# Altium PCB PLC1.PcbDoc (part 1 of 4)
Units mm, origin at the board's own origin, x right, y up, seen from the top; angles counter-clockwise.
Board outline 175 x 81 mm, 2 copper layers (Top Layer, Bottom Layer), stack 1.471 mm thick; 347 components, 299 nets, 1265 pads, 687 vias.
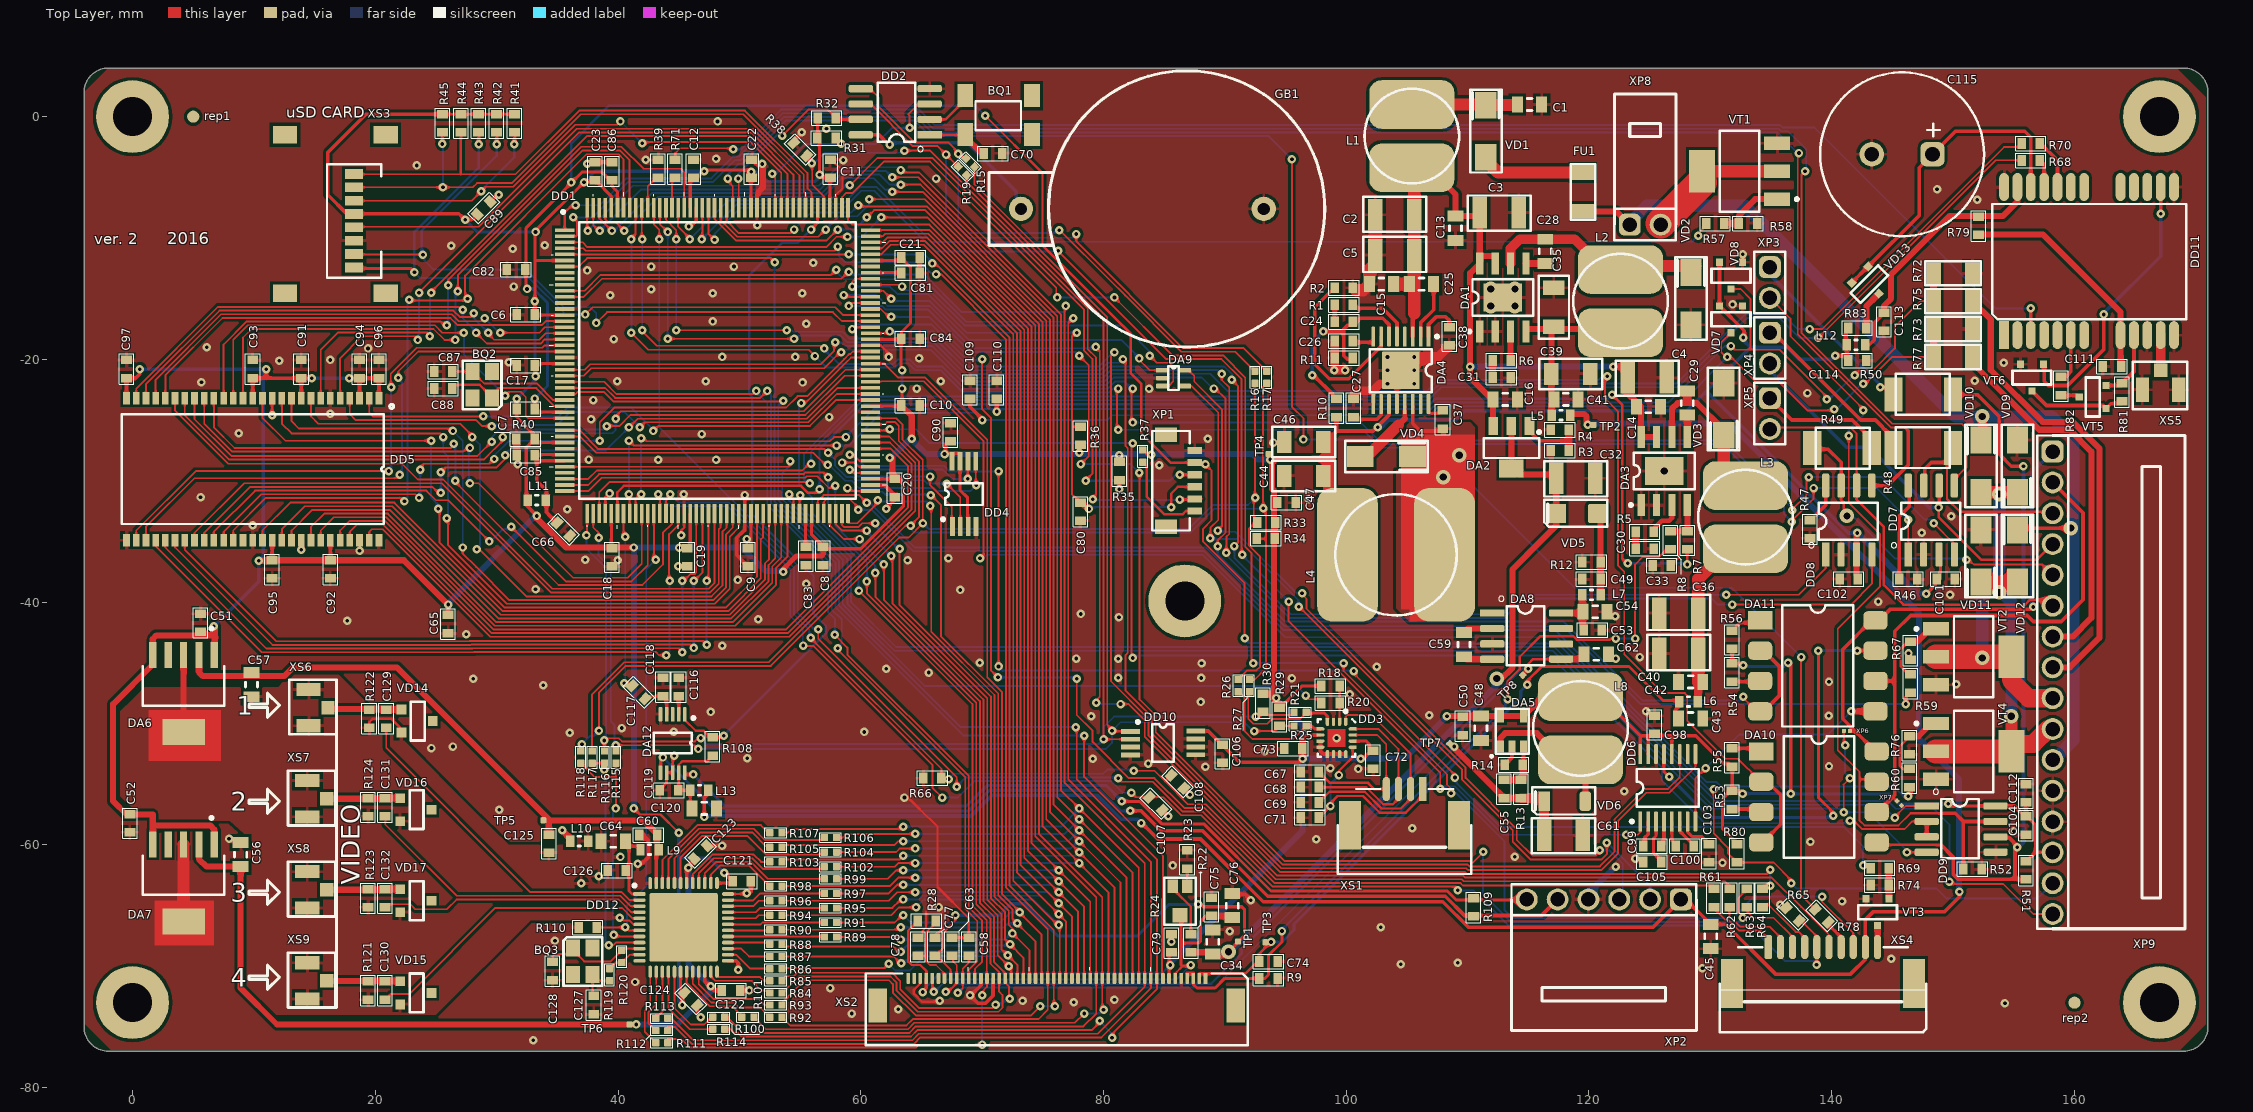
[diagram p0: Top Layer view]
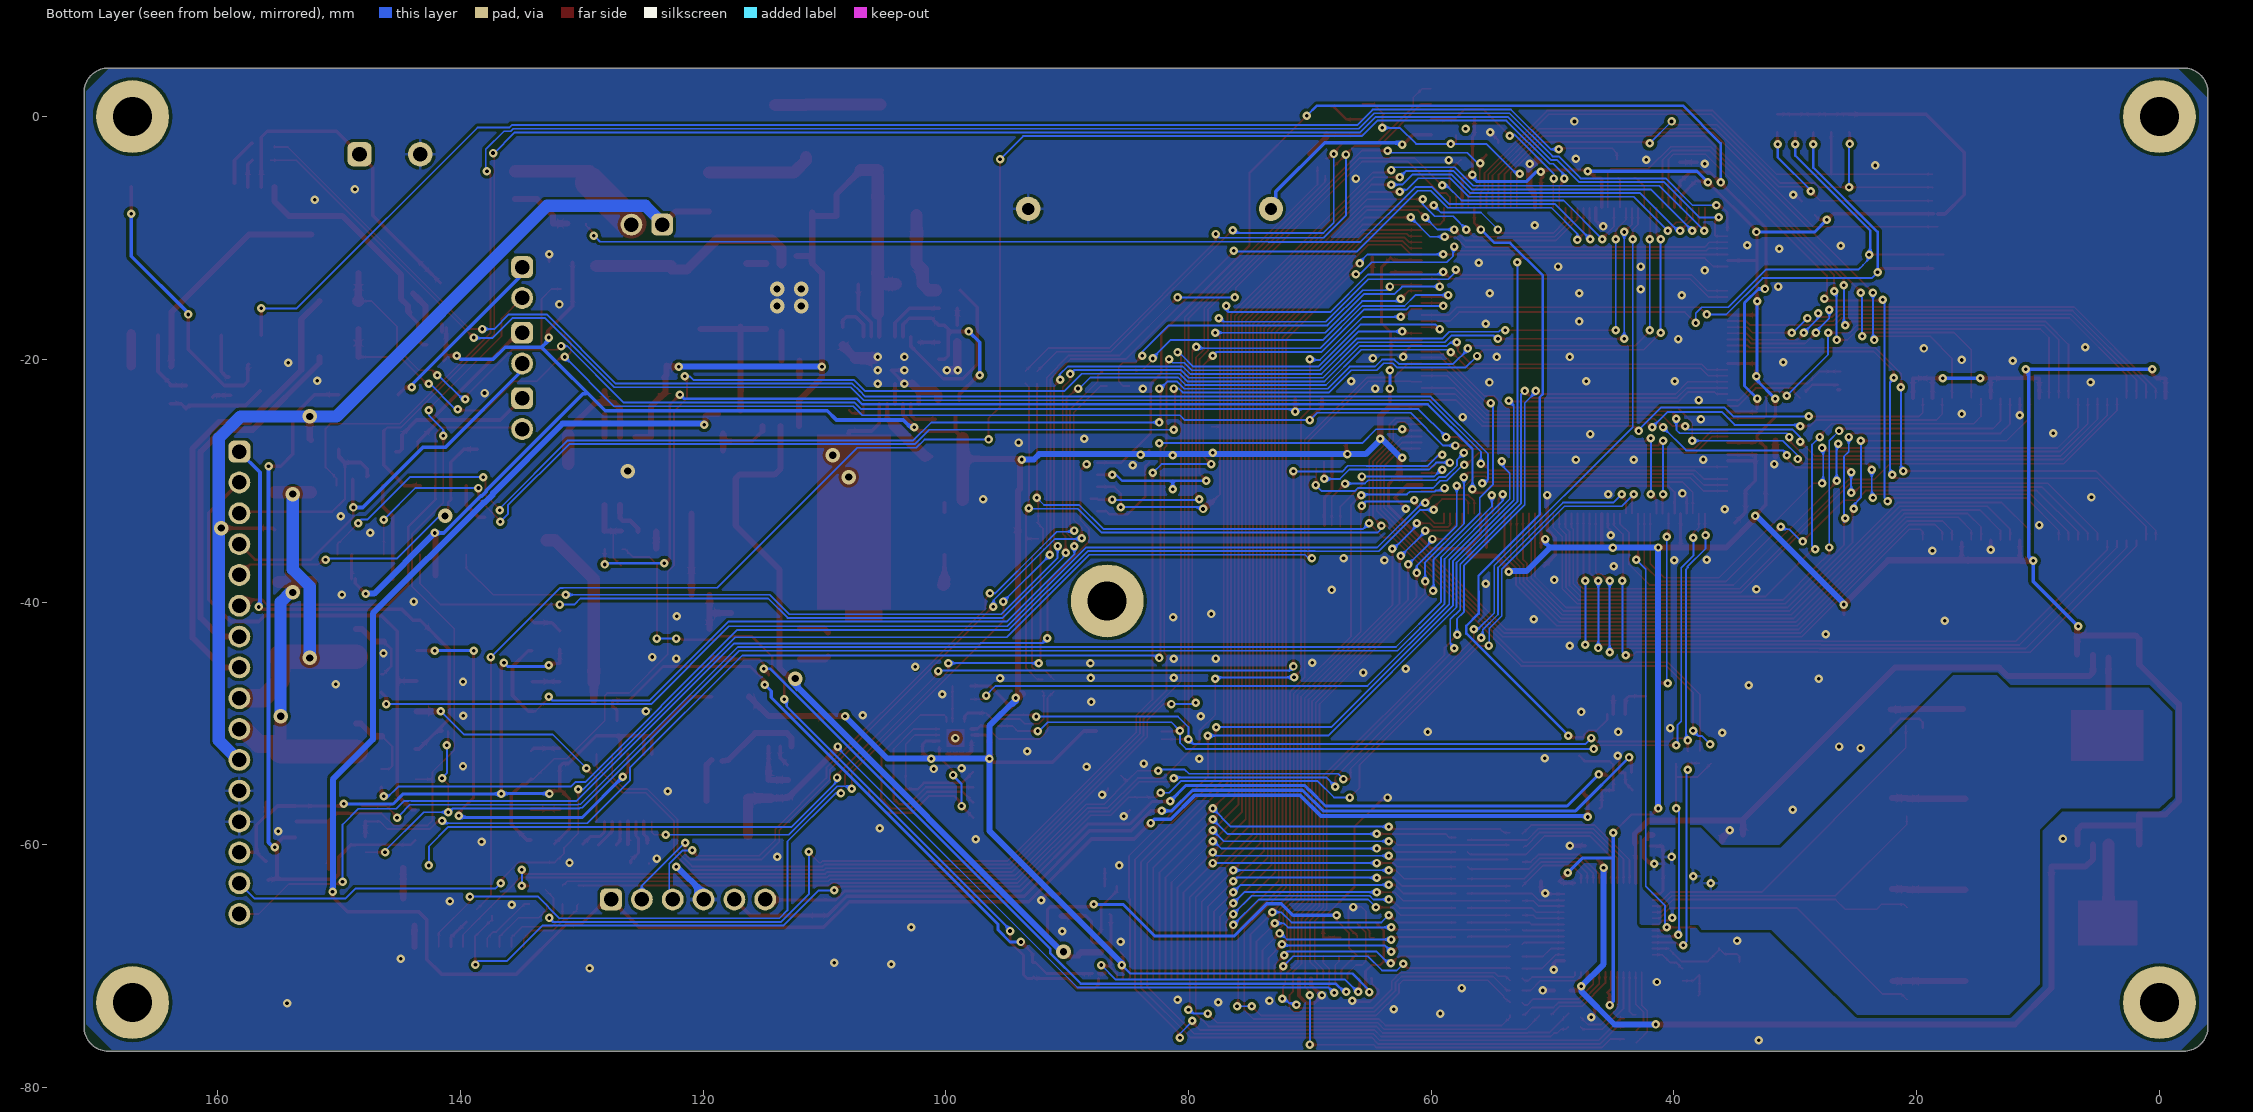
[diagram p1: Bottom Layer view, seen from below]

## Layer stack, top to bottom
Top Solder: solder mask 0.0102, Solder Resist, Dk 3.5
Top Layer: signal copper 0.0356
Dielectric 1: dielectric 1.4, FR-4, Dk 4.8
Bottom Layer: signal copper 0.0356
Bottom Solder: solder mask 0.0102, Solder Resist, Dk 3.5

## Board outline
-2,-77 cw(c-2,-75) -4,-75 -4,2 cw(c-2,2) -2,4 169,4 cw(c169,2) 171,2 171,-75 cw(c169,-75) 169,-77

## Design rules (kind name [scope] priority, off if disabled: settings)
Clearance Clearance_1 [InPolygon] p1: gap=0.25 ignorepadtopadclearanceinfootprint=FALSE except(0: Arc-Hole Track-Hole SMDPad-Hole THPad-Hole Via-Hole Fill-Hole Poly-Hole Region-Hole Text-Hole)
Clearance [All] p2: gap=0.152 ignorepadtopadclearanceinfootprint=FALSE except(0: Arc-Hole Track-Hole SMDPad-Hole THPad-Hole Via-Hole Fill-Hole Poly-Hole Region-Hole Text-Hole)
HoleSize [All] p1: absolutevalues=TRUE maxlimit=10 minlimit=0.025 maxpercent=80.000 minpercent=20.000
HoleToHoleClearance [All] p1: gap=0.2 allowstackedmicrovias=TRUE
MinimumSolderMaskSliver [All] p1 off: minsoldermaskwidth=0.254
PlaneClearance [All] p1: clearance=0.25
PolygonConnect [(InNet('AVDD_DISP') AND IsPolygon)] p1: connectstyle=Direct reliefconductorwidth=0.254 reliefentries=4 polygonreliefangle="90 Angle" airgapwidth=0.254
PolygonConnect TOP_NETDA2-14 [InNamedPolygon('NETDA2-14')] p2: connectstyle=Direct reliefconductorwidth=0.254 reliefentries=4 polygonreliefangle="90 Angle" airgapwidth=0.254
PolygonConnect Bottom_GND [isVia vs InNet('GND')] p3: connectstyle=Direct reliefconductorwidth=0.254 reliefentries=4 polygonreliefangle="90 Angle" airgapwidth=0.254
PolygonConnect PolygonConnect_2 [All] p4: connectstyle=Relief reliefconductorwidth=0.254 reliefentries=4 polygonreliefangle="90 Angle" airgapwidth=0.254
PolygonConnect PolygonConnect_1 [isVia] p5: connectstyle=Direct reliefconductorwidth=0.254 reliefentries=4 polygonreliefangle="90 Angle" airgapwidth=0.254
RoutingVias [All] p1: holewidth=0.3 width=0.7 viastyle="Through Hole" minholewidth=0.3 minwidth=0.7 maxholewidth=5 maxwidth=7
SilkToBoardRegionClearance [All] p1 off:
SilkToSilkClearance [All] p1 off: silktosilkclearance=0.254
SilkToSolderMaskClearance [IsPad] p1 off: minsilkscreentomaskgap=0.254 clearancetoexposedcopper=TRUE
SolderMaskExpansion [All] p1: expansion=0.102
Width [All] p1: maxlimit=8 minlimit=0.15 preferedwidth=0.25 minimp=50.000000 maximp=50.000000 favimp=50.000000
23 further rules are at their usual default settings.

## Classes and differential pairs
component class PLC1_4: BQ3 C116 C117 C118 C119 C120 C121 C122 C123 C124 C125 C126 C127 C128 C129 C130 C131 C132 DA12 DD12 L13 R84 R85 R86 R87 R88 R89 R90 R91 R92 R93 R94 R95 R96 R97 R98 R99 R100 R101 R102 R103 R104 R105 R106 R107 R108 R109 R110 R111 R112 R113 R114 R115 R116 R117 R118 R119 R120 R121 R122 R123 R124 R125 VD14 VD15 VD16 VD17 XS6 XS7 XS8 XS9
component class PLC1: C1 C2 C3 C4 C5 C6 C7 C8 C9 C10 C11 C12 C13 C14 C15 C16 C17 C18 C19 C20 C21 C22 C23 C24 C25 C26 C27 C28 C29 C30 C31 C32 C33 C34 C35 C36 C37 C38 C39 C40 C41 C42 C43 C44 C45 C46 C47 C48 C49 C50 C51 C52 C53 C54 C55 C56 C57 C58 C59 C60 C61 C62 C63 C64 C65 C66 DA1 DA2 DA3 DA4 DA5 DA6 DA7 DA8 FU1 L1 L2 L3 L4 L5 L6 L7 L8 L9 L10 L11 R1 R2 R3 R4 R5 R6 R7 R8 R9 R10 R11 R12 R13 R14 TP1 TP2 TP3 TP4 TP5 TP6 TP7 TP8 VD1 VD2 VD3 VD4 VD5 VD6
component class PLC1_2: BQ1 BQ2 C67 C68 C69 C70 C71 C72 C73 C74 C75 C76 C77 C78 C79 C80 C81 C82 C83 C84 C85 C86 C87 C88 C89 C90 C91 C92 C93 C94 C95 C96 C97 DD1 DD2 DD3 DD4 DD5 GB1 R15 R16 R17 R18 R19 R20 R21 R22 R23 R24 R25 R26 R27 R28 R29 R30 R31 R32 R33 R34 R35 R36 R37 R38 R39 R40 R41 R42 R43 R44 R45 XP1 XS1 XS2 XS3
component class PLC1_3: C98 C99 C100 C101 C102 C103 C104 C105 C106 C107 C108 C109 C110 C111 C112 C113 C114 C115 DA9 DA10 DA11 DD6 DD7 DD8 DD9 DD10 DD11 L12 R46 R47 R48 R49 R50 R51 R52 R53 R54 R55 R56 R57 R58 R59 R60 R61 R62 R63 R64 R65 R66 R67 R68 R69 R70 R71 R72 R73 R74 R75 R76 R77 R78 R79 R80 R81 R82 R83 VD7 VD8 VD9 VD10 VD11 VD12 VD13 VT1 VT2 VT3 VT4 VT5 VT6 XP2 XP3 XP4 XP5 XP6 XP7 XP8 XP9 XP10 XS4 XS5

## Components (designator, comment, footprint, x,y, rotation, side; value= is the part's Value field where it differs from the comment)
BQ1 "90SMX 32768" 90SMX 68.6,1.725 r0 top
BQ2 "TSX-3225" TSX-3225 28.8,-22.1 r270 top
BQ3 "TSX-3225" TSX-3225 37.1,-69.6 r90 top
C1 "Cap_0805" C_0805 115.1,1 r180 top
C2 "Cap_1210" CAP1210 102.4,-8 r0 top
C3 "Cap_1210" CAP1210 114.2,-8 r180 top
C4 "Cap_1210" CAP1210 126.4,-21.6 r180 top
C5 "Cap_1210" CAP1210 102.4,-11.3 r0 top
C6 "0.1uF" CAP_0603 32.4,-16.3 r0 top
C7 "0.1uF" CAP_0603 32.375,-26.55 r180 top
C8 "0.1uF" CAP_0603 56.9,-36.2 r90 top
C9 "0.1uF" CAP_0603 50.7,-36.3 r270 top
C10 "0.1uF" CAP_0603 64.1,-23.8 r180 top
C11 "0.1uF" CAP_0603 57.5,-4.3 r270 top
C12 "0.1uF" CAP_0603 46.2,-4.3 r270 top
C13 "Cap_0805" C_0805 109,-9.2 r90 top
C14 "Cap_0805" C_0805 124.9,-23.9 r180 top
C15 "0.1uF" C_0805 102.9,-13.8 r180 top
C16 "Cap_0805" C_0805 113.1,-23.3 r180 top
C17 "0.1uF" CAP_0603 32.4,-20.5 r0 top
C18 "0.1uF" CAP_0603 39.5,-36.3 r270 top
C19 "0.1uF" CAP_0603 45.7,-36.3 r270 top
C20 "0.1uF" CAP_0603 62.8,-30.6 r90 top
C21 "0.1uF" CAP_0603 64.1,-11.6 r0 top
C22 "0.1uF" CAP_0603 51,-4.3 r270 top
C23 "0.1uF" CAP_0603 38.1,-4.5 r270 top
C24 "0.01uF" CAP_0603 99.8,-16.9 r180 top
C25 "0.1uF" C_0805 106.2,-13.8 r180 top
C26 "100p" CAP_0603 99.8,-18.5 r180 top
C27 "0.1uF" CAP_0603 100.6,-24 r270 top
C28 "Cap_0805" C_0805 116.4,-11.1 r270 top
C29 "Cap_0805" C_0805 128.1,-23.6 r270 top
C30 "22nF" CAP_0603 124.6,-35.6 r180 top
C31 "22nF" CAP_0603 112.8,-21.5 r180 top
C32 "Cap_1210" CAP1210 120.5,-29.9 r180 top
C33 "100p" CAP_0603 126,-37 r180 top
C34 "Cap_0805" C_0805 89,-68 r270 top
C35 "1206" CAP1206 117.1,-14.1 r270 top
C36 "Cap_1210" CAP1210 125.8,-40.8 r0 top
C37 "22nF" CAP_0603 107.95,-24.95 r270 top
C38 "0.1uF" CAP_0603 108.5,-18.1 r270 top
C39 "1206" CAP1206 120.1,-21.2 r180 top
C40 "Cap_1210" CAP1210 125.8,-44.1 r0 top
C41 "Cap_0805" C_0805 118.1,-23.3 r180 top
C42 "Cap_0805" C_0805 128.375,-46.575 r0 top
C43 "Cap_0805" C_0805 128.375,-49.6 r180 top
C44 "1206" CAP1206 94.9,-29.6 r0 top
C45 "Cap_0805" C_0805 130.025,-67.55 r90 top
C46 "1206" CAP1206 94.9,-26.8 r0 top
C47 "0.1uF" CAP_0603 95.075,-31.8 r180 top
C48 "10uF" C_0805 111.1,-50.4 r90 top
C49 "0.1uF" CAP_0603 120.2,-38.1 r0 top
C50 "0.1uF" CAP_0603 109.6,-50.2 r90 top
C51 "0.1uF" CAP_0603 5.6,-41.7 r270 top
C52 "0.1uF" CAP_0603 -0.225,-58.225 r90 top
C53 "0.1uF" CAP_0603 120.3,-42.3 r180 top
C54 "Cap_0805" C_0805 120.5,-40.8 r180 top
C55 "0.01uF" CAP_0603 113,-55.4 r270 top
C56 "Cap_0805" C_0805 8.9,-60.8 r270 top
C57 "Cap_0805" C_0805 9.8,-46.8 r90 top
C58 "0.1uF" CAP_0603 68.9,-68.4 r270 top
C59 "Cap_0805" C_0805 109.7,-43.5 r90 top
C60 "0.1uF" CAP_0603 42.5,-59.2 r180 top
C61 "Cap_1210" CAP1210 119.5,-59.3 r180 top
C62 "Cap_0805" C_0805 120.6,-44.3 r180 top
C63 "0.1uF" CAP_0603 67.5,-68.4 r270 top
C64 "Cap_0805" C_0805 39.6,-59.7 r0 top
C65 "1uF" CAP_0603 26,-41.8 r90 top
C66 "1uF" CAP_0603 35.5,-34 r135 top
C67 "0.01uF" CAP_0603 97,-54 r180 top
C68 "0.01uF" CAP_0603 97,-55.25 r180 top
C69 "0.01uF" CAP_0603 97,-56.5 r180 top
C70 "10pF" CAP_0603 70.9,-3.025 r180 top
C71 "0.01uF" CAP_0603 97,-57.75 r180 top
C72 "0.1uF" CAP_0603 102.2,-53 r90 top
C73 "0.1uF" CAP_0603 95.625,-52.075 r0 top
C74 "0.1uF" CAP_0603 93.6,-69.6 r180 top
C75 "0.1uF" CAP_0603 88.9,-65.1 r90 top
C76 "Cap_0805" C_0805 90.6,-65 r270 top
C77 "0.1uF" CAP_0603 66.1,-68.4 r90 top
C78 "0.1uF" CAP_0603 64.7,-68.4 r90 top
C79 "0.1uF" CAP_0603 85.6,-68.1 r270 top
C80 "100p" CAP_0603 78.1,-32.55 r270 top
C81 "1uF" CAP_0603 64.1,-12.9 r0 top
C82 "0.1uF" CAP_0603 31.6,-12.6 r180 top
C83 "1uF" CAP_0603 55.5,-36.2 r270 top
C84 "0.1uF" CAP_0603 64.1,-18.3 r0 top
C85 "0.1uF" CAP_0603 32.4,-27.9 r180 top
C86 "0.1uF" CAP_0603 39.5,-4.5 r90 top
C87 "18pF" CAP_0603 25.6,-21 r0 top
C88 "18pF" CAP_0603 25.6,-22.4 r0 top
C89 "0.1uF" CAP_0603 28.925,-7.525 r45 top
C90 "0.1uF" CAP_0603 67.4,-26 r90 top
C91 "0.1uF" CAP_0603 13.9,-20.8 r90 top
C92 "0.1uF" CAP_0603 16.3,-37.3 r90 top
C93 "0.1uF" CAP_0603 9.9,-20.8 r90 top
C94 "0.1uF" CAP_0603 18.7,-20.8 r90 top
C95 "0.1uF" CAP_0603 11.5,-37.3 r90 top
C96 "0.1uF" CAP_0603 20.3,-20.8 r90 top
C97 "0.1uF" CAP_0603 -0.5,-20.8 r270 top
C98 "0.1uF" CAP_0603 125.4,-50.1 r90 top
C99 "0.1uF" CAP_0603 125.2,-60.1 r0 top
C100 "0.1uF" CAP_0603 127.9,-60.1 r0 top
C101 "0.1uF" CAP_0603 149.4,-38.1 r0 top
C102 "0.1uF" CAP_0603 141.4,-38.1 r180 top
C103 "0.1uF" CAP_0603 129.9,-60.7 r270 top
C104 "0.1uF" CAP_0603 156,-58.4 r270 top
C105 "0.1uF" CAP_0603 125.2,-61.4 r180 top
C106 "0.1uF" CAP_0603 89.8,-52.5 r270 top
C107 "0.01uF" CAP_0603 84.3,-56.6 r135 top
C108 "0.01uF" CAP_0603 86.1,-54.8 r135 top
C109 "0.01uF" CAP_0603 69,-22.5 r270 top
C110 "0.01uF" CAP_0603 71.2,-22.5 r270 top
C111 "0.01uF" CAP_0603 163.1,-20.6 r180 top
C112 "0.1uF" CAP_0603 156,-55.75 r90 top
C113 "0.1uF" CAP_0603 144.3,-16.9 r270 top
C114 "0.1uF" CAP_0603 142.1,-20.1 r0 top
C115 "0.22 F" KR-5R5C104-R 153.3,-3.1 r180 top
C116 "1uF" CAP_0603 45,-47 r270 top
C117 "1uF" CAP_0603 41.7,-47.425 r135 top
C118 "0.1uF" CAP_0603 43.7,-47 r90 top
C119 "1uF" CAP_0603 44.2,-55.5 r0 top
C120 "10uF" C_0805 47.1,-57 r180 top
C121 "0.1uF" CAP_0603 50.2,-63 r0 top
C122 "0.1uF" CAP_0603 49.3,-72 r0 top
C123 "0.1uF" CAP_0603 46.8,-60.6 r45 top
C124 "0.1uF" CAP_0603 46,-72.7 r315 top
C125 "0.1uF" CAP_0603 34.3,-59.9 r270 top
C126 "0.1uF" CAP_0603 39.9,-62.1 r180 top
C127 "12pF" CAP_0603 38,-73.2 r90 top
C128 "12pF" CAP_0603 34.6,-70.4 r90 top
C129 "0.1uF" CAP_0603 20.9,-49.6 r270 top
C130 "0.1uF" CAP_0603 20.8,-72 r90 top
C131 "0.1uF" CAP_0603 20.8,-56.9 r90 top
C132 "0.1uF" CAP_0603 20.8,-64.4 r90 top
DA1 "IFX91041EJV50" SO-G8/E3 112.9,-14.9 r0 top
DA2 "LM317LIPK" SOT-89 113.6,-26.5 r180 top
DA3 "IFX91041EJV50" SO-G8/E3 126.2,-29.2 r0 top
DA4 "LM25575MH" HTSSO5X6-G16 104.5,-20.9 r180 top
DA5 "TPS61041" SOT23-5 112.7,-51.9 r90 top
DA6 "TPS73718DCQ" SOT-223-6 4.2,-46.9 r180 top
DA7 "TPS73718DCQ" SOT-223-6 4.2,-62.5 r180 top
DA8 "TC1044SEOA" SOIC8 111.9,-40.9 r0 top
DA9 "USBDF01W5" SOT323-5L 84.85,-20.9 r0 top
DA10 "ASSR-1228-302E" DIP8_GULL 134.2,-52.3 r0 top
DA11 "ASSR-1228-302E" DIP8_GULL 134.1,-41.5 r0 top
DA12 "LM4667MM/NOPB" S-PDSO-G10 44.5,-51.6 r180 top
DD1 "STM32F746ZG_176" F-QFP24X24-G176/N 48.2,-20.1 r0 top
DD2 "PCF8563_SOIC8" SOIC8 65.8,-1.5 r180 top
DD3 "STMPE811QTR" QFN3X3-16 99.2,-51.2 r180 top
DD4 "M95640-WDW6TP_TSSOP-8" TSSO3X5-G8/X.4 68.5,-31.1 r0 top
DD5 "MT48LC16M16A2TG" TSOP-54 20.3,-23.2 r270 top
DD6 "SN65C3221PWR" TSSO5X6-G16 126.5,-55.3 r0 top
DD7 "SN65HVD234D" SOIC8 146.3,-36.2 r90 top
DD8 "SN65HVD234D" SOIC8 139.5,-36.2 r90 top
DD9 "ADM3483" SOIC8 147.7,-56.8 r0 top
DD10 "LM75BDP" TSSO3X5-G8/X.4 84.9,-51.6 r270 top
DD11 "L26 Quectel" VK1612U 166.8,-8.8 r270 top
DD12 "TW8819-NA2-CRT" QFN48.7X7 45.4,-66.8 r0 top
FU1 "g" RES_1206 119.5,-7.8 r90 top
GB1 "3V" KEYSTONE-1066 93.2,-7.6 r180 top
L1 "SS0704100YS" SS0704 105.4,-1.6 r180 top
L2 "SS0704470YS" SS0704 122.6,-15.2 r180 top
L3 "SS0704470YS" SS0704 132.9,-33 r180 top
L4 "SS1004100YS" SS1004 104.1,-36.1 r90 top
L5 "BLM18PG471SH1D" R_IND_0603 117.7,-24.6 r180 top
L6 "BLM18PG471SH1D" R_IND_0603 128.2,-48.2 r0 top
L7 "BLM18PG471SH1D" R_IND_0603 120.2,-39.4 r0 top
L8 "SS0704100YS" SS0704 119.3,-50.4 r180 top
L9 "BLM18PG471SH1D" R_IND_0603 42.6,-60.4 r0 top
L10 "BLM18PG471SH1D" R_IND_0603 36.8,-59.7 r0 top
L11 "BLM18PG471SH1D" R_IND_0603 33.3,-31.6 r180 top
L12 "BLM18PG471SH1D" R_IND_0603 142,-18.8 r0 top
L13 "BLM18PG471SH1D" R_IND_0603 46.7,-55.5 r180 top
R1 "51k" RES_0603 99.8,-15.5 r0 top
R2 "4,7k" RES_0603 99.8,-14.1 r180 top
R3 "390" RES_0603 117.6,-27.5 r0 top
R4 "2.8k" RES_0603 117.6,-25.8 r180 top
R5 "22k" RES_0603 124.6,-34.2 r0 top
R6 "22k" RES_0603 112.8,-20.1 r0 top
R7 "3k" RES_0603 128.1,-34.9 r90 top
R8 "1k" RES_0603 126.7,-34.9 r270 top
R9 "2,7" RES_0603 93.6,-71 r0 top
R10 "5.1k" RES_0603 99.2,-24 r270 top
R11 "3k" RES_0603 99.8,-19.9 r0 top
R12 "10k" RES_0603 120.2,-36.7 r180 top
R13 "12k" RES_0603 114.4,-55.4 r90 top
R14 "1k" RES_0603 113.8,-53.4 r180 top
R15 "Res_0402" RES_0402 69.375,-4.15 r315 top
R16 "Res_0402" RES_0402 92.475,-21.975 r270 top
R17 "Res_0402" RES_0402 93.45,-21.975 r270 top
R18 "4,7k" RES_0603 98.7,-46.9 r180 top
R19 "Res_0402" RES_0402 68.725,-4.825 r315 top
R20 "390" RES_0603 98.7,-48.3 r180 top
R21 "Res_0402" RES_0402 95.7,-49.075 r180 top
R22 "15к" RES_0603 87.2,-68.1 r90 top
R23 "6.8k" RES_0603 86.9,-61.2 r90 top
R24 "" "3302X -3-103E" 87.1,-64.2 r180 top
R25 "Res_0402" RES_0402 95.7,-50.2 r180 top
R26 "Res_0402" RES_0402 91.1,-46.375 r90 top
R27 "Res_0402" RES_0402 92.025,-46.375 r90 top
R28 "4,7k" RES_0603 65.425,-66.275 r0 top
R29 "4,7k" RES_0603 94.5,-49.45 r90 top
R30 "4,7k" RES_0603 93.15,-48.3 r90 top
R31 "4,7k" RES_0603 57.175,-1.775 r180 top
R32 "4,7k" RES_0603 57.2,-0.1 r180 top
R33 "4,7k" Res_0603 93.4,-33.425 r0 top
R34 "4,7k" Res_0603 93.375,-34.75 r180 top
R35 "10k" RES_0603 81.3,-29.2 r90 top
R36 "10k" RES_0603 78.1,-26.3 r270 top
R37 "Res_0402" RES_0402 83.225,-27.475 r90 top
R38 "10k" RES_0603 55,-2.7 r315 top
R39 "4,7k" RES_0603 43.3,-4.3 r90 top
R40 "4,7k" RES_0603 32.4,-24.1 r180 top
R41 "51k" RES_0603 31.475,-0.55 r270 top
R42 "51k" RES_0603 30,-0.55 r270 top
R43 "51k" RES_0603 28.5,-0.55 r270 top
R44 "51k" RES_0603 27.05,-0.55 r270 top
R45 "51k" RES_0603 25.55,-0.55 r270 top
R46 "10k" RES_0603 146.3,-38.1 r0 top
R47 "10k" RES_0603 138.2,-34 r270 top
R48 "120" RES_2010 149.6,-27.3 r180 top
R49 "120" RES_2010 138.8,-27.3 r0 top
R50 "120" RES_2010 149.6,-22.9 r180 top
R51 "4,7k" RES_0603 156,-62.1 r270 top
R52 "4,7k" RES_0603 151.6,-62 r0 top
R53 "390" RES_0603 131.8,-56.3 r270 top
R54 "390" RES_0603 131.8,-45.8 r270 top
R55 "390" RES_0603 131.8,-52.8 r90 top
R56 "390" RES_0603 131.8,-43.1 r90 top
R57 "22" RES_0603 130.4,-8.8 r0 top
R58 "10k" RES_0603 133.1,-8.8 r180 top
R59 "22" RES_0603 146.5,-46.7 r90 top
R60 "22" RES_0603 146.4,-54.5 r90 top
R61 "4,7k" RES_0603 130.3,-64.373 r90 top
R62 "4,7k" RES_0603 131.6,-64.373 r90 top
R63 "4,7k" RES_0603 133,-64.373 r90 top
R64 "4,7k" RES_0603 134.3,-64.373 r90 top
R65 "51k" RES_0603 136.775,-65.725 r135 top
R66 "51k" RES_0603 65.9,-54.5 r180 top
R67 "10k" RES_0603 146.5,-44 r90 top
R68 "390" RES_0603 156.4,-3.6 r0 top
R69 "390" RES_0603 143.95,-61.925 r0 top
R70 "390" RES_0603 156.4,-2.2 r0 top
R71 "390" RES_0603 44.7,-4.3 r90 top
R72 "Res_1206" RES_1206 148.4,-12.9 r0 top
R73 "Res_1206" RES_1206 148.4,-17.5 r0 top
R74 "10k" RES_0603 143.95,-63.325 r0 top
R75 "Res_1206" RES_1206 151.6,-15.2 r180 top
R76 "10k" RES_0603 146.4,-51.8 r90 top
R77 "Res_1206" RES_1206 151.6,-19.8 r180 top
R78 "75" RES_0603 139.175,-65.85 r135 top
R79 "4,7k" RES_0603 152.1,-9 r270 top
R80 "4,7k" RES_0603 132.2,-60.7 r270 top
R81 "10k" RES_0603 163.9,-22.7 r90 top
R82 "22" RES_0603 158.9,-22.2 r270 top
R83 "390" RES_0603 142.1,-17.4 r180 top
R84 "Res_0402" RES_0402 53.5,-72.2 r0 top
R85 "Res_0402" RES_0402 53.5,-71.2 r0 top
R86 "Res_0402" RES_0402 53.5,-70.2 r0 top
R87 "Res_0402" RES_0402 53.5,-69.2 r0 top